# Altium PCB PROC010B_ASCII.PcbDoc (part 1 of 6)
Units mil, origin at the board's own origin, x right, y up, seen from the top; angles counter-clockwise.
Board outline 3180 x 2565 mil, 6 copper layers (TOP, L2, L3, L4, L5, BOTTOM), stack 55.54 mil thick; 362 components, 264 nets, 1248 pads, 1144 vias.
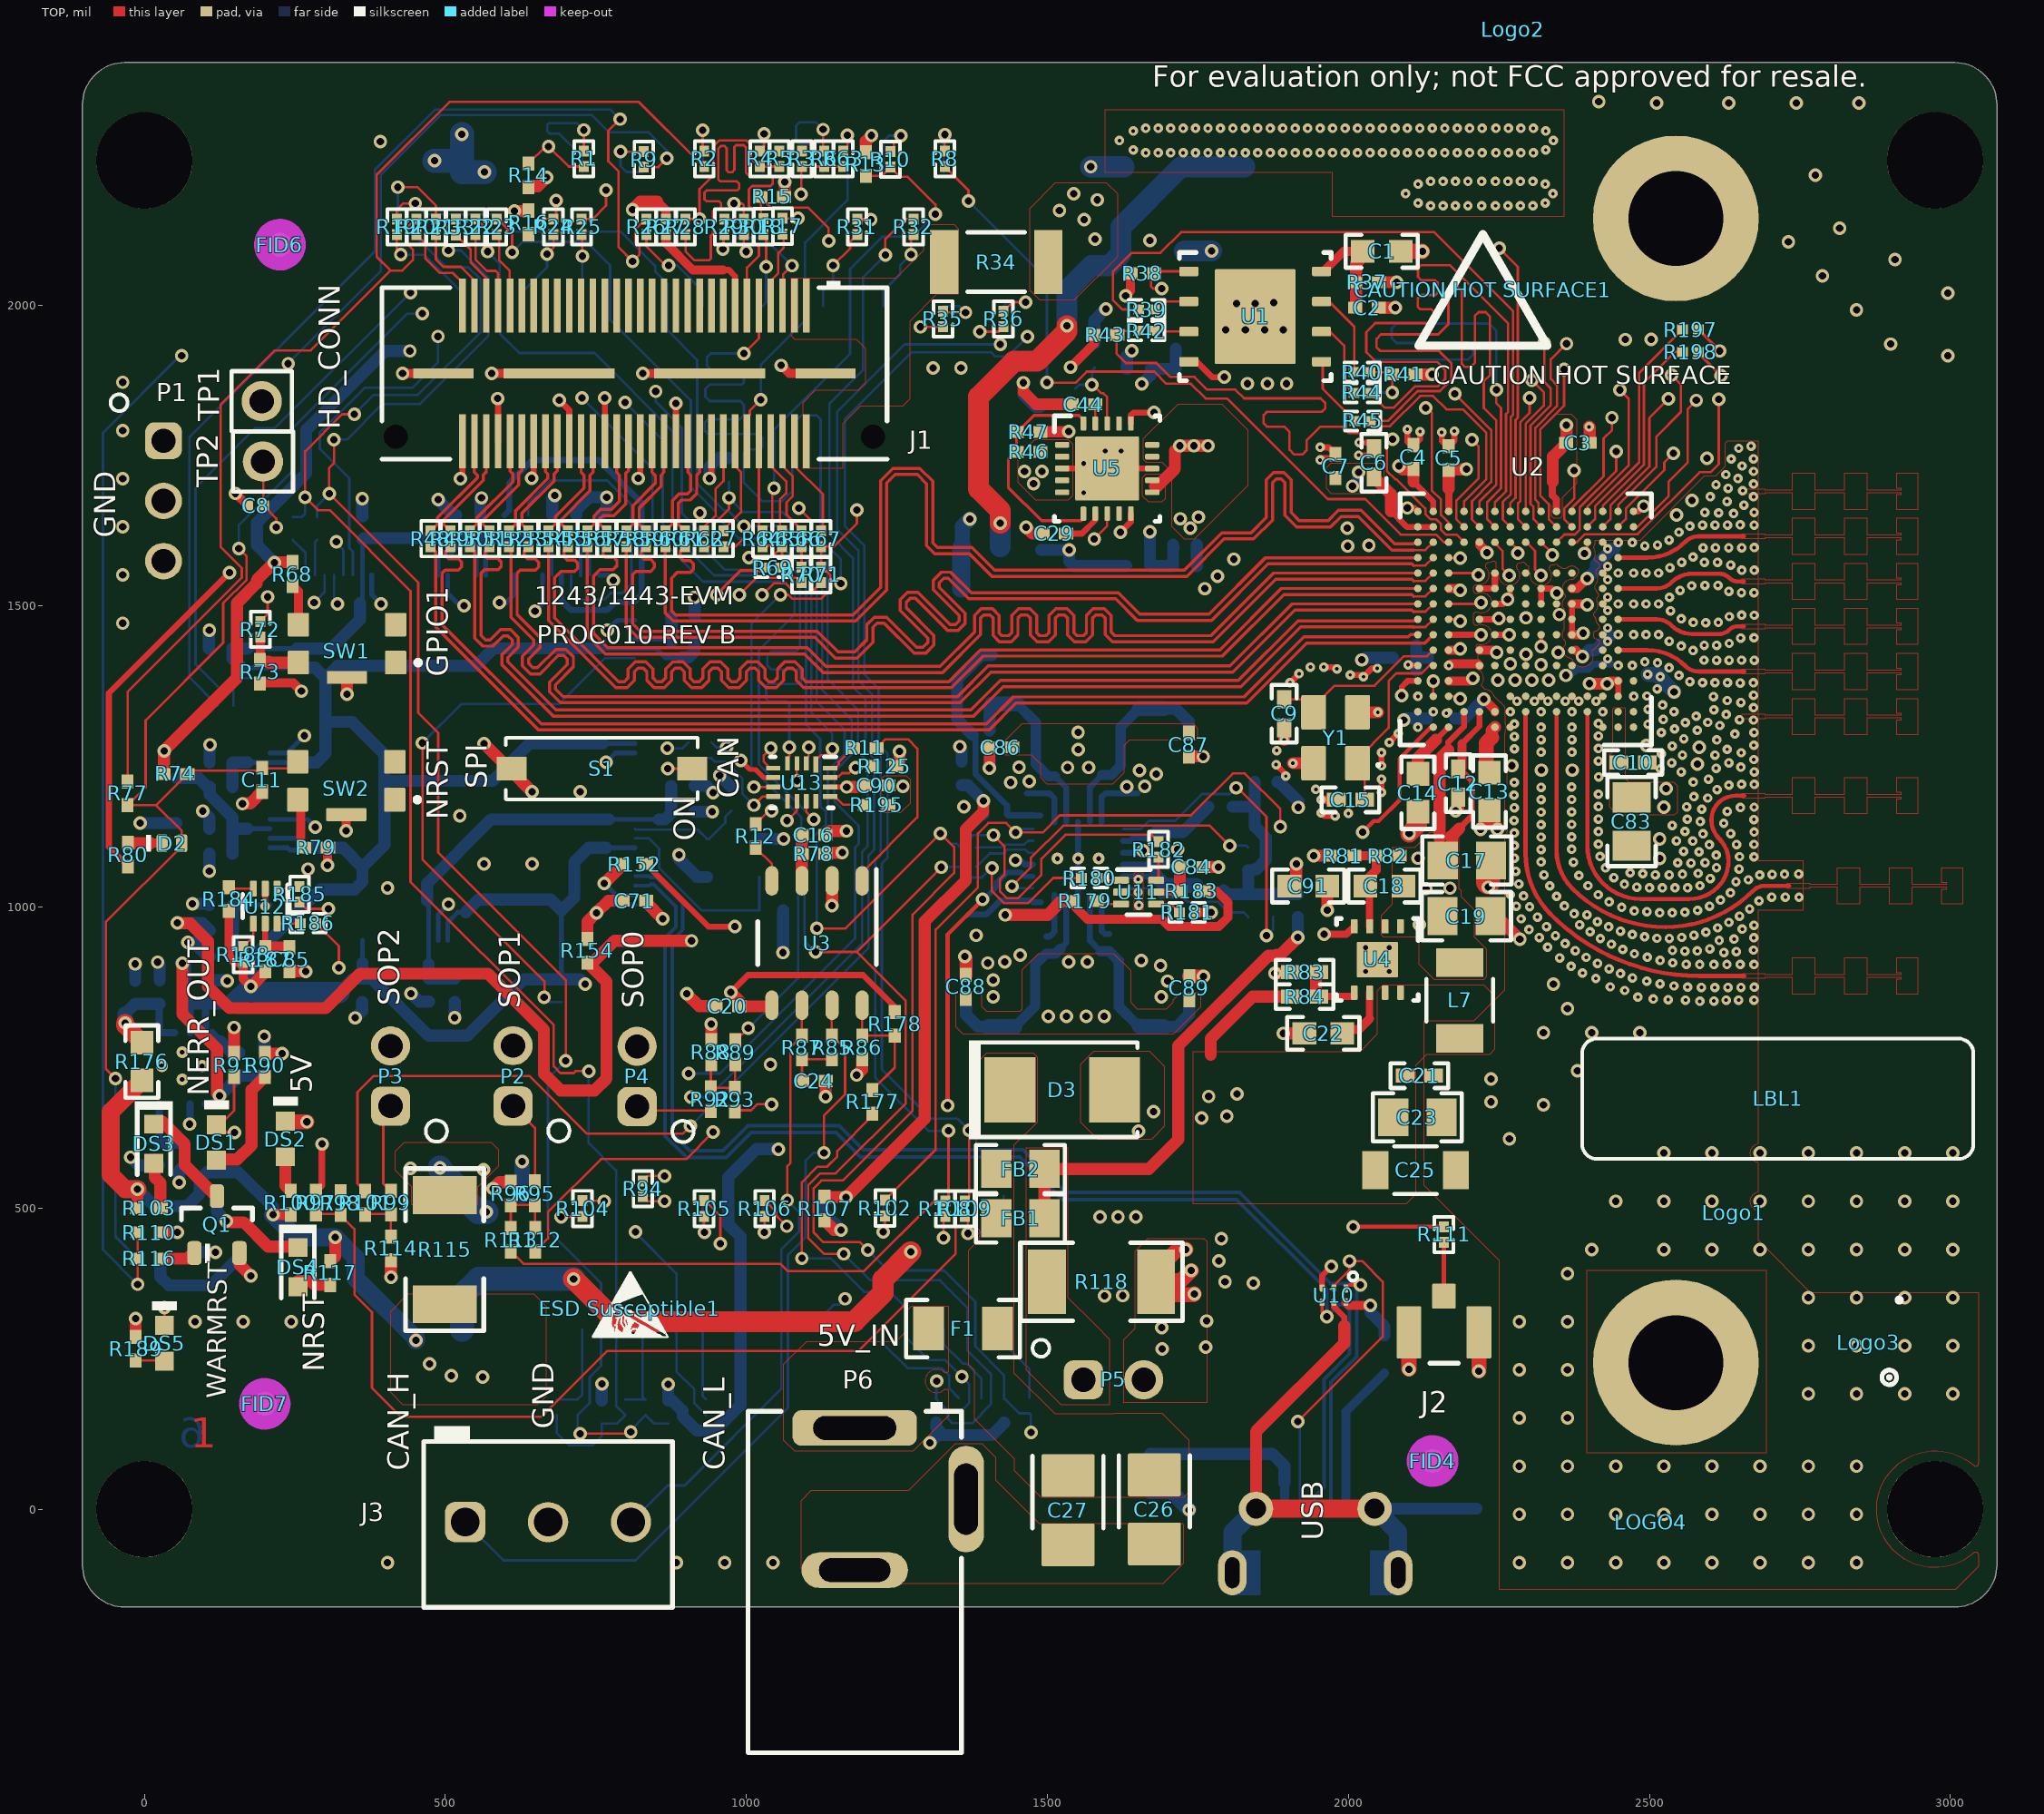
[diagram p0: TOP view]
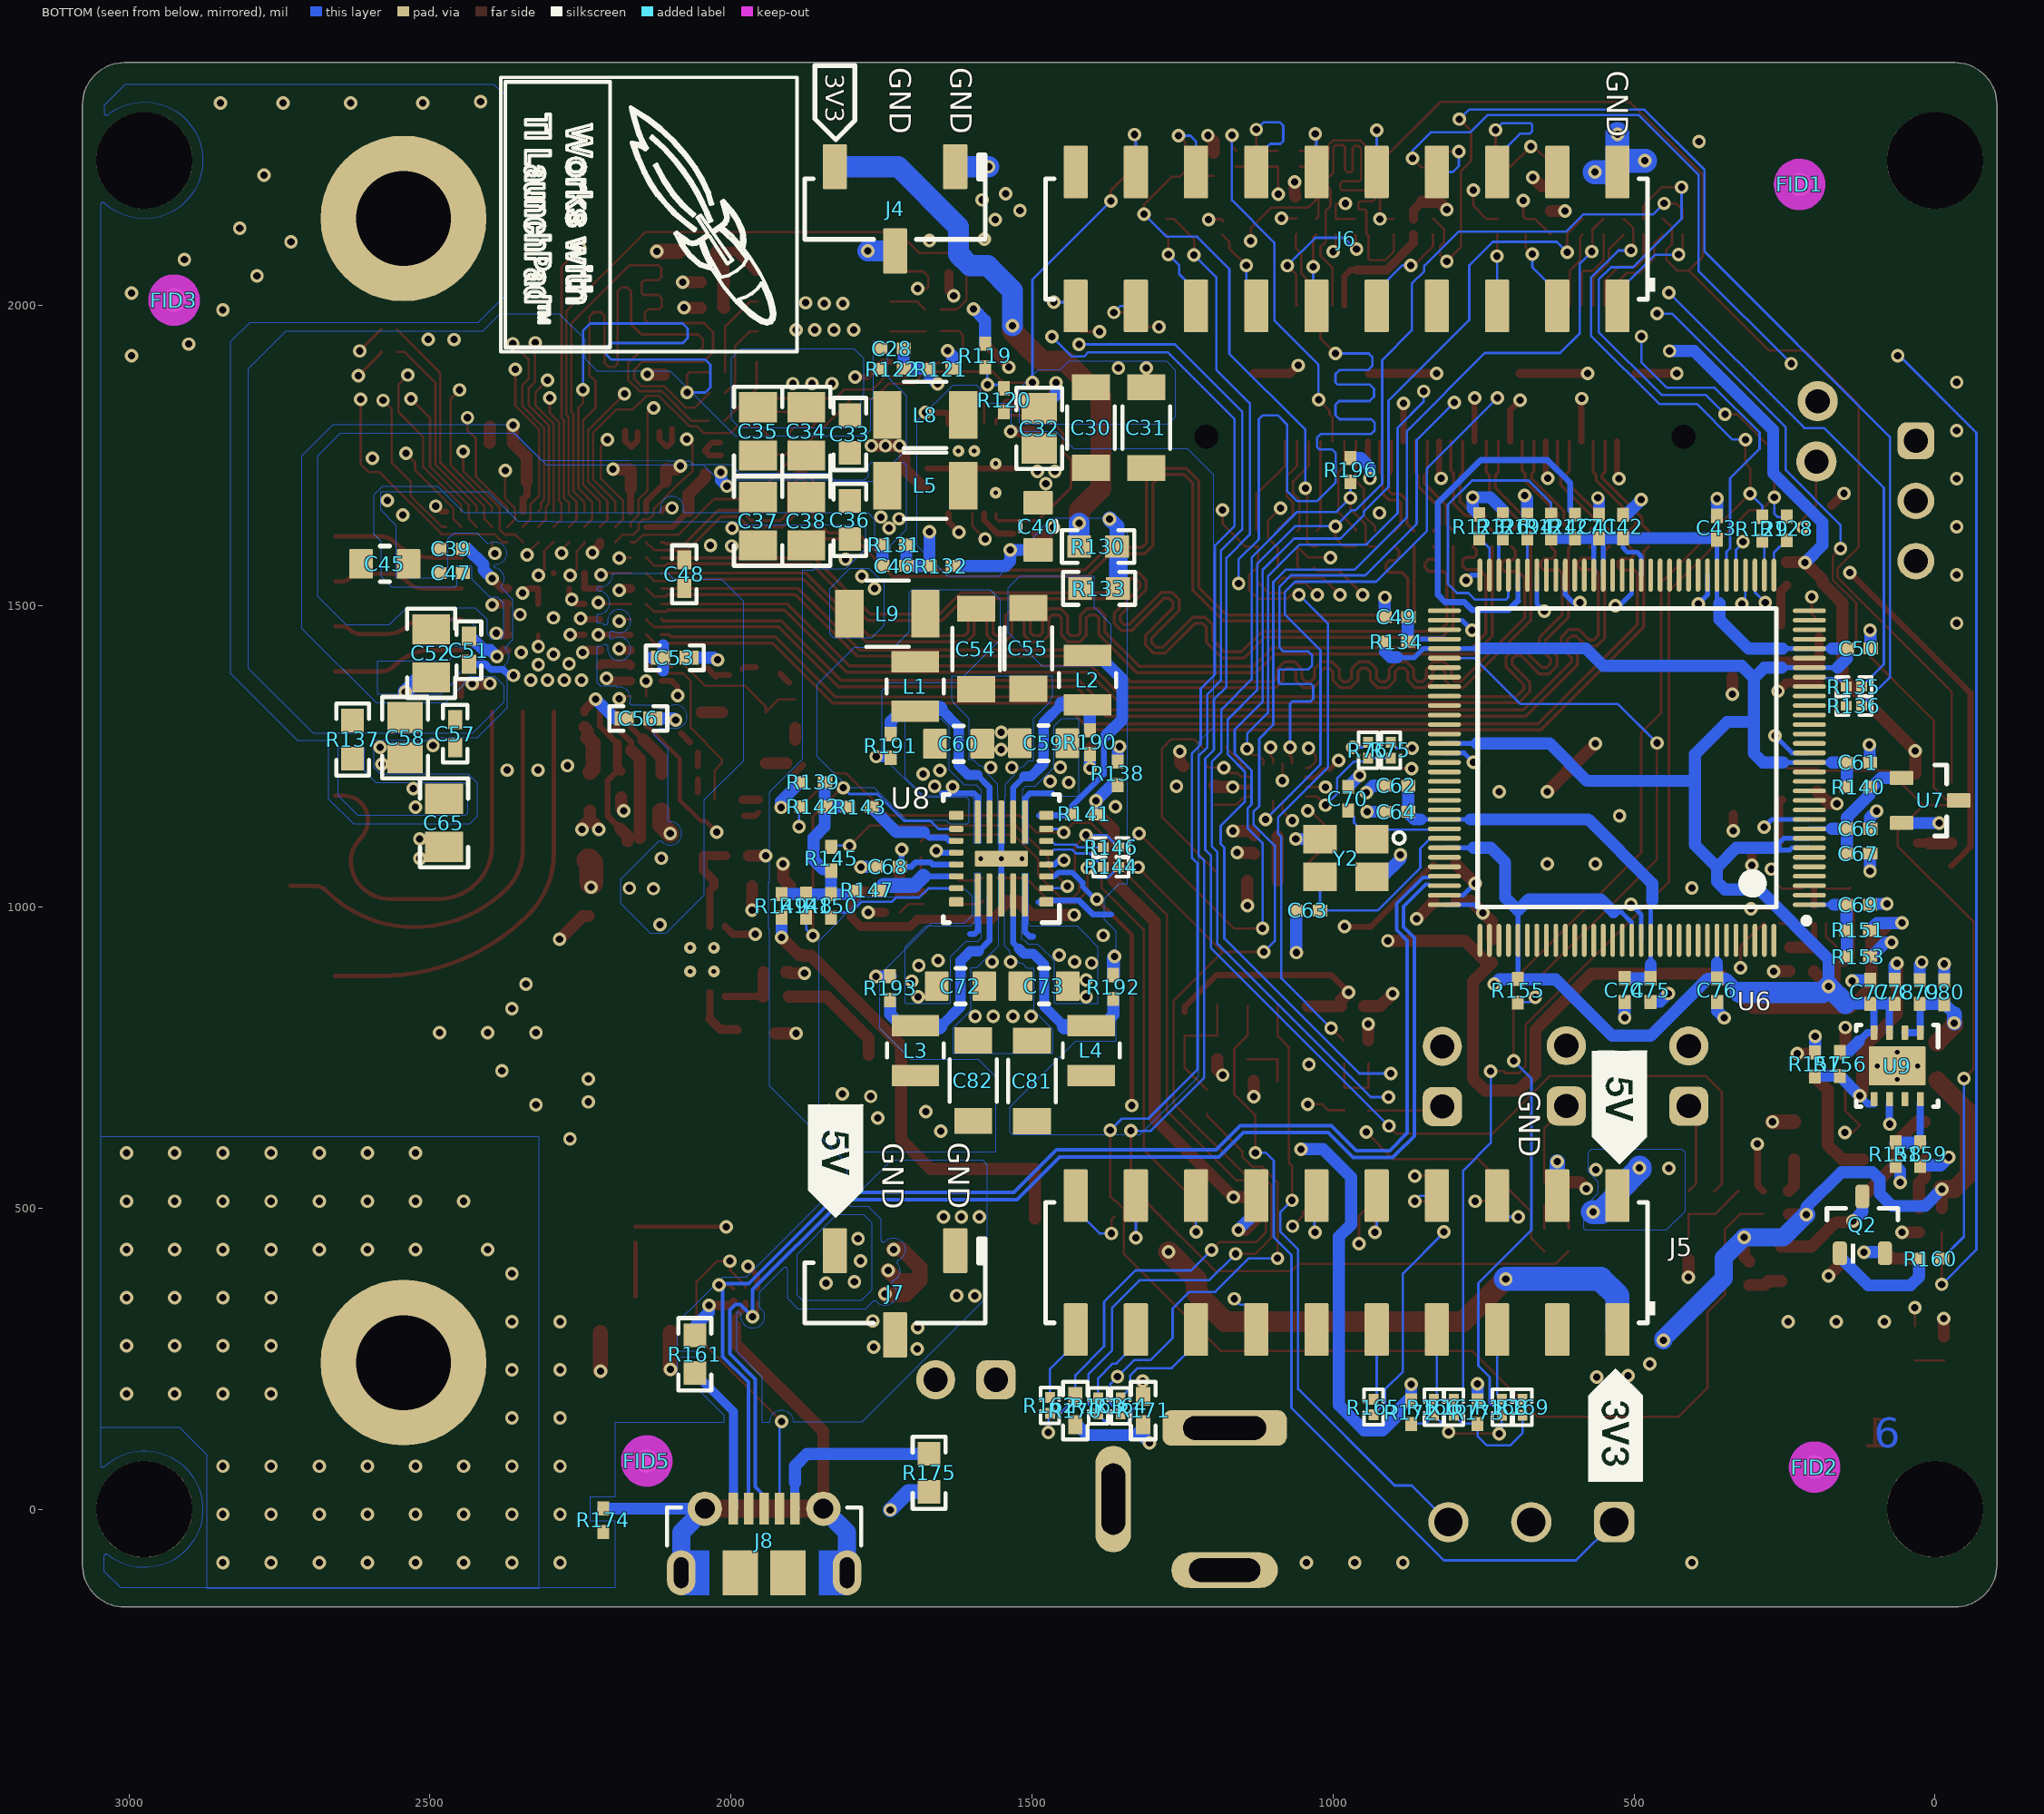
[diagram p1: BOTTOM view, seen from below]
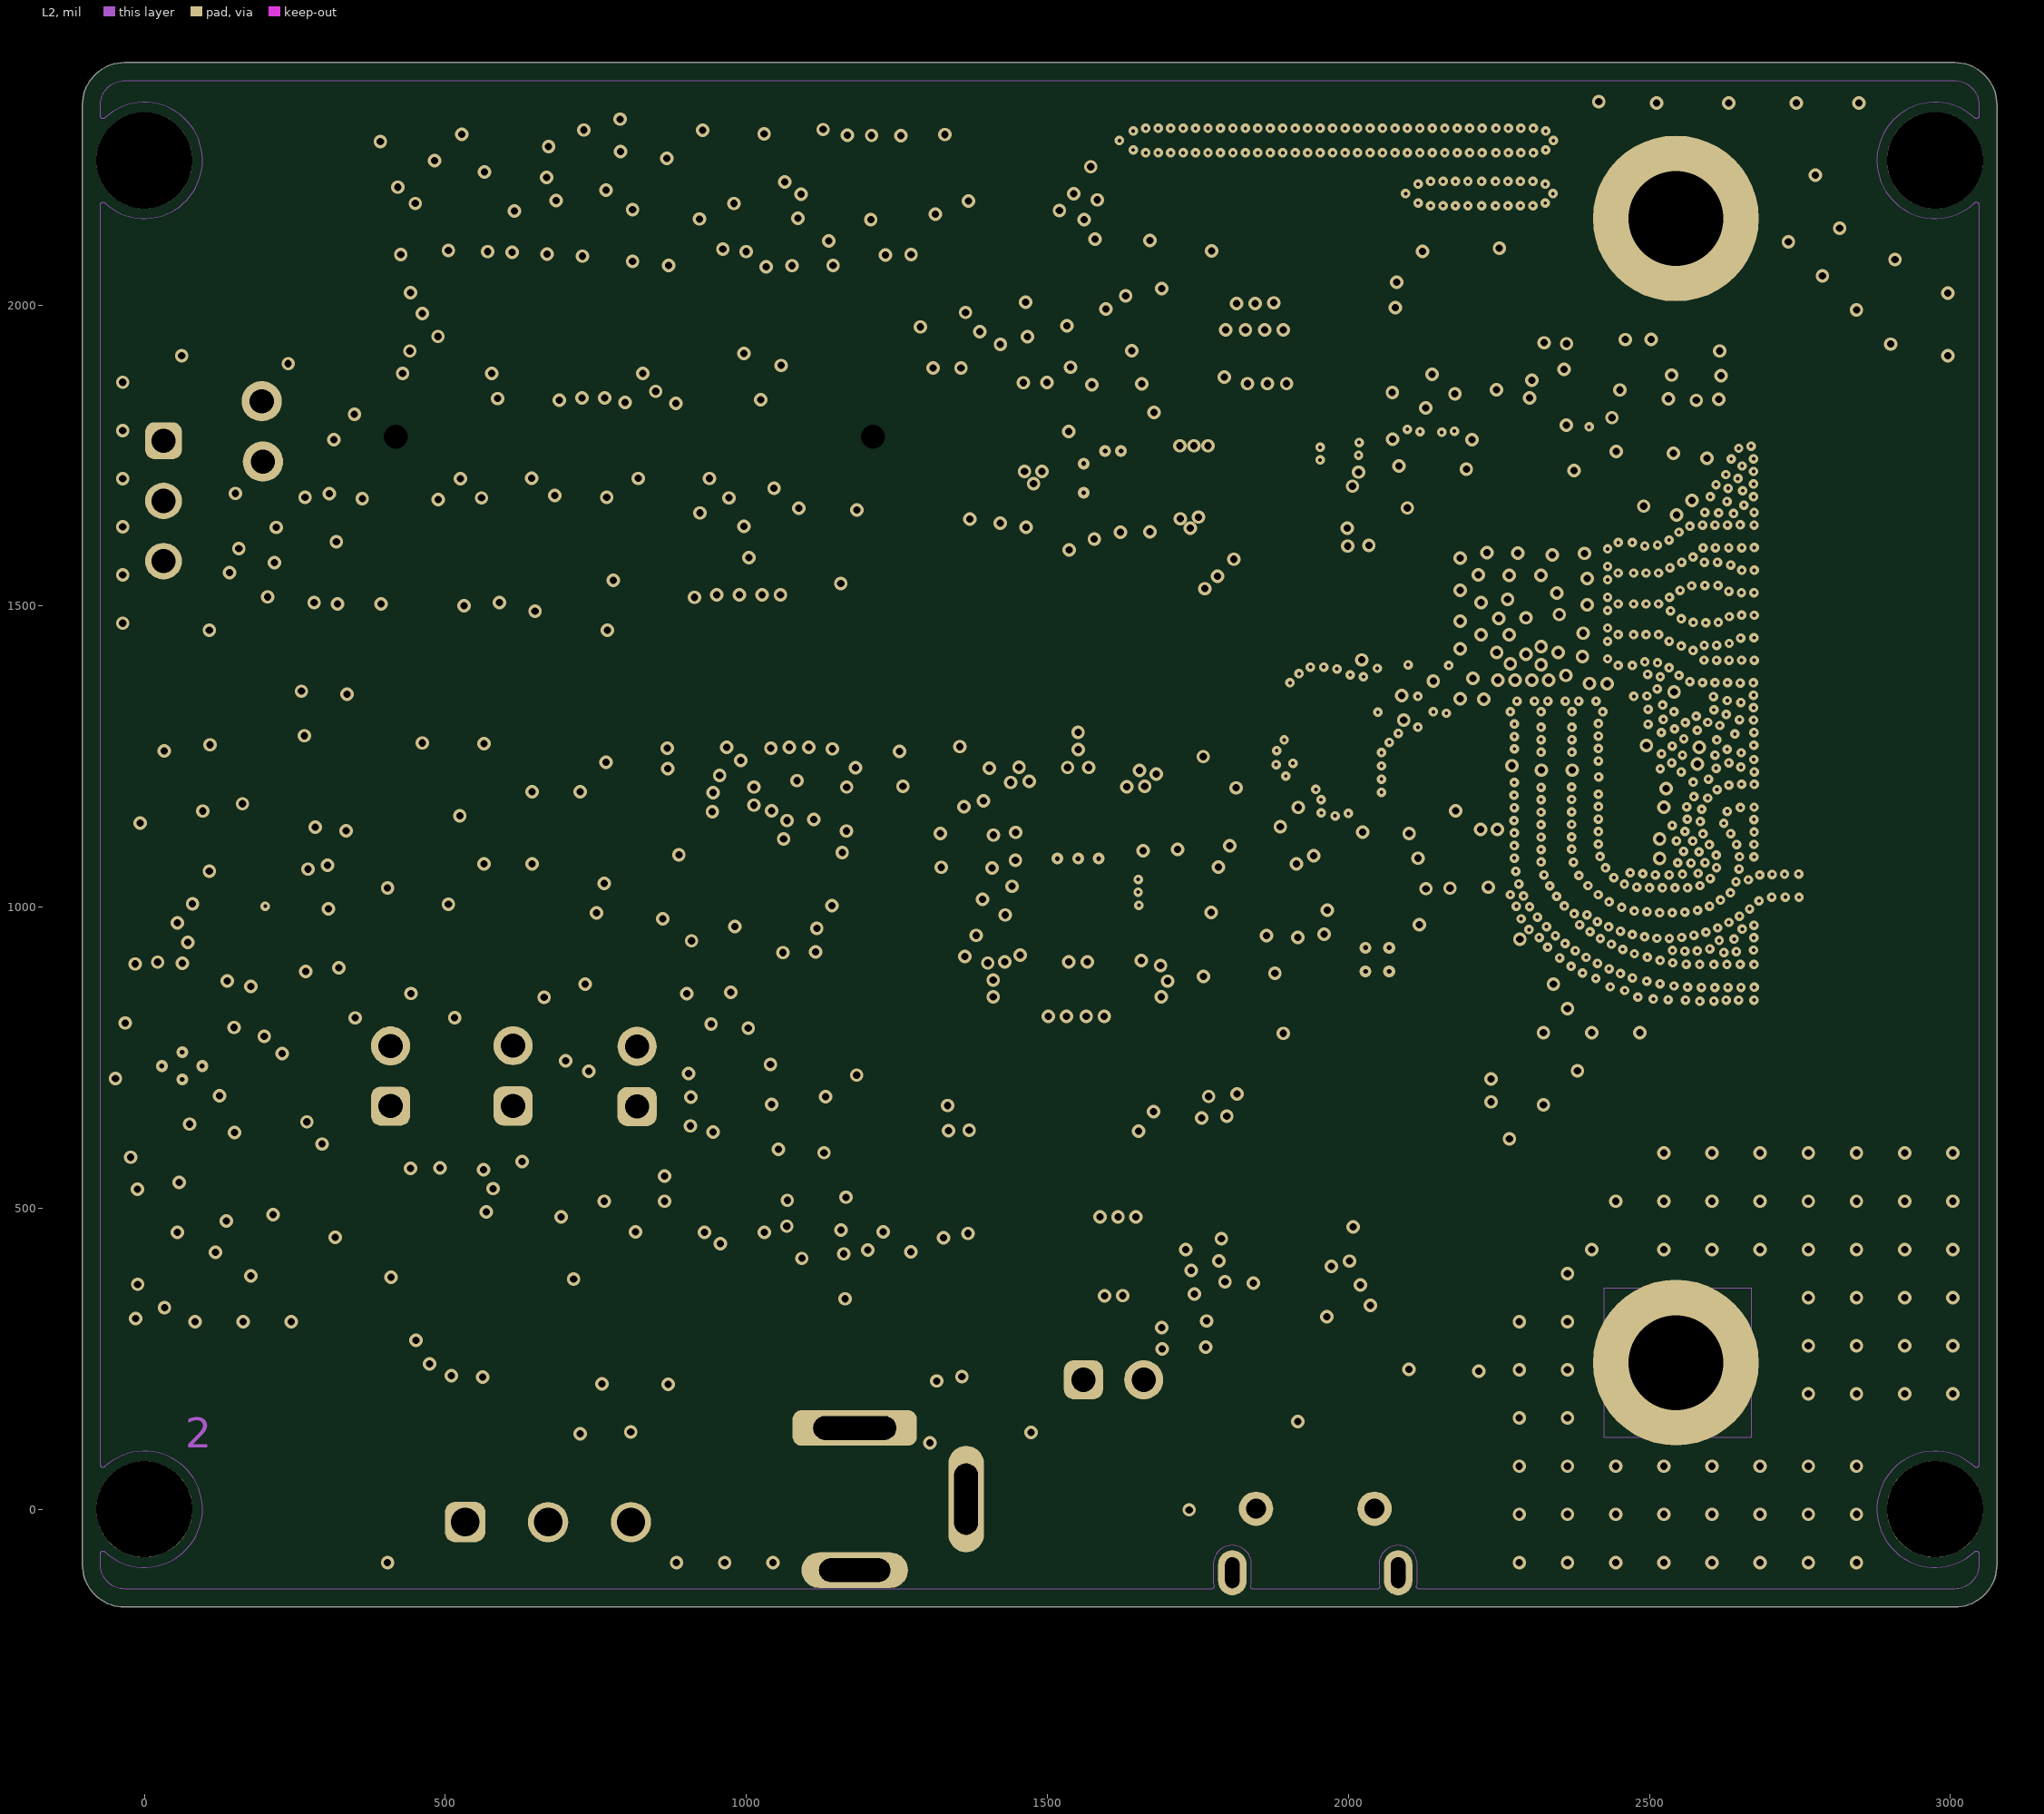
[diagram p2: L2]
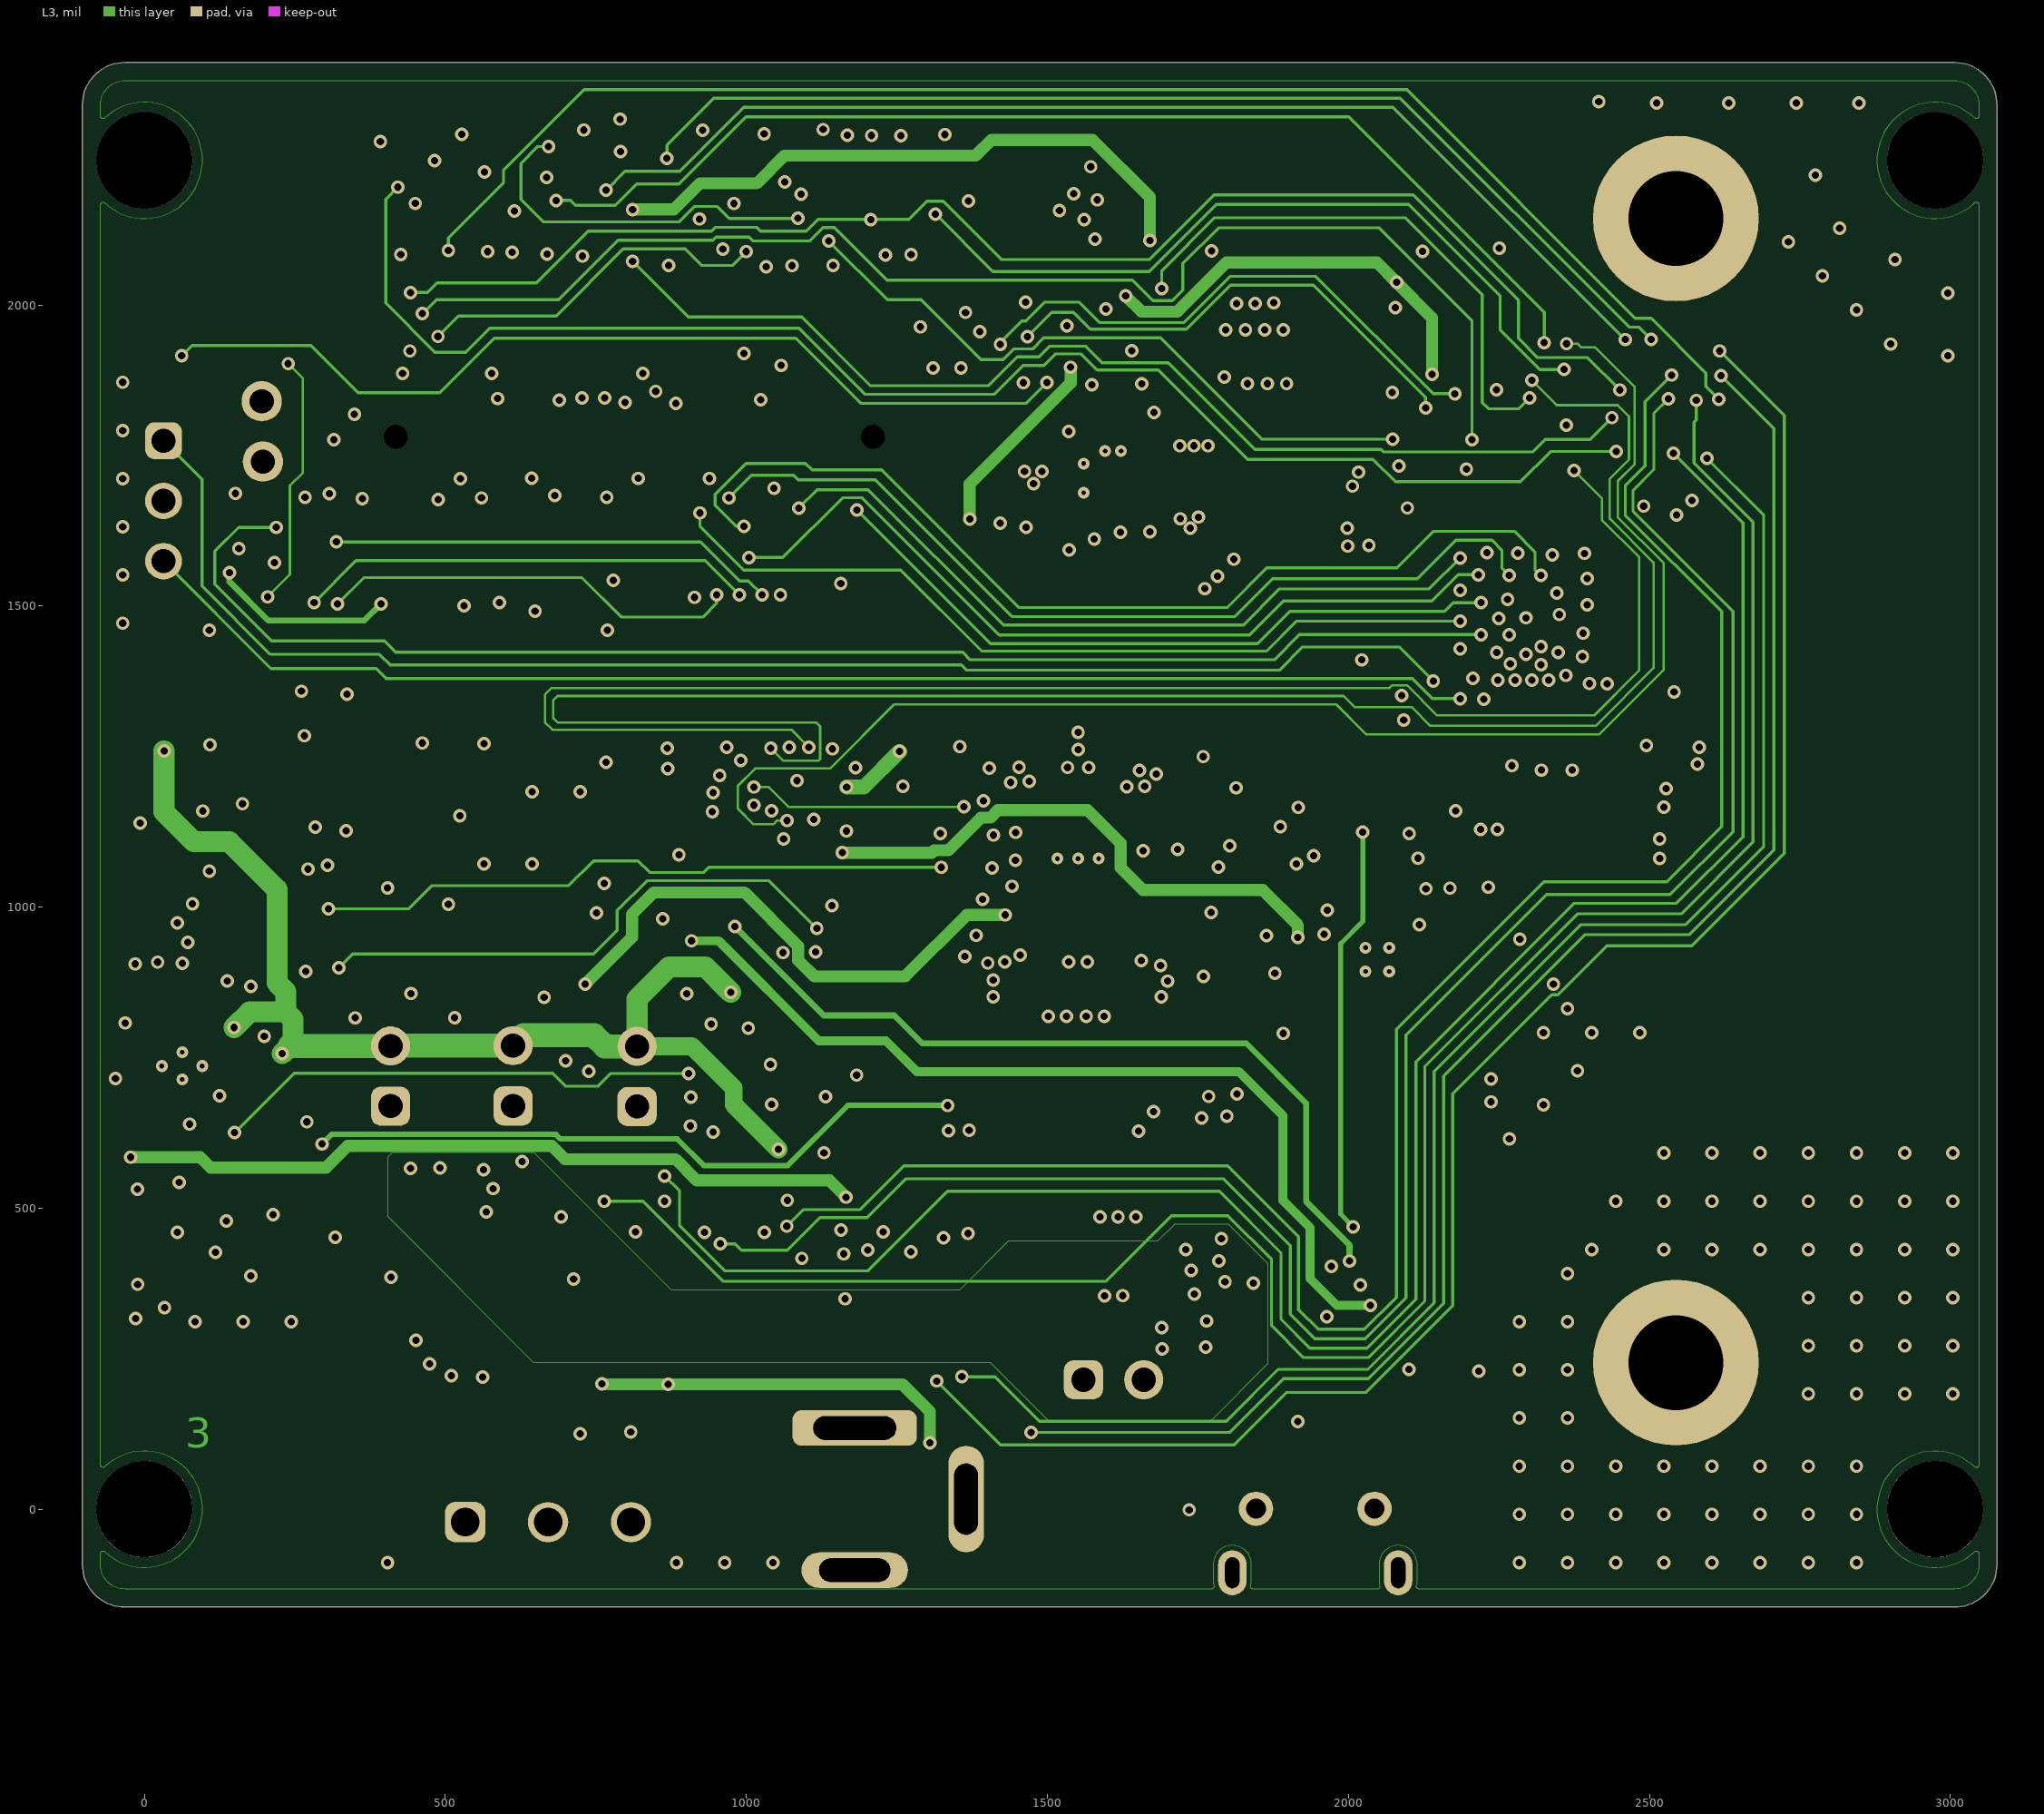
[diagram p3: L3]